# Altium PCB SI945D.PCBDOC (part 2 of 2) (continued)
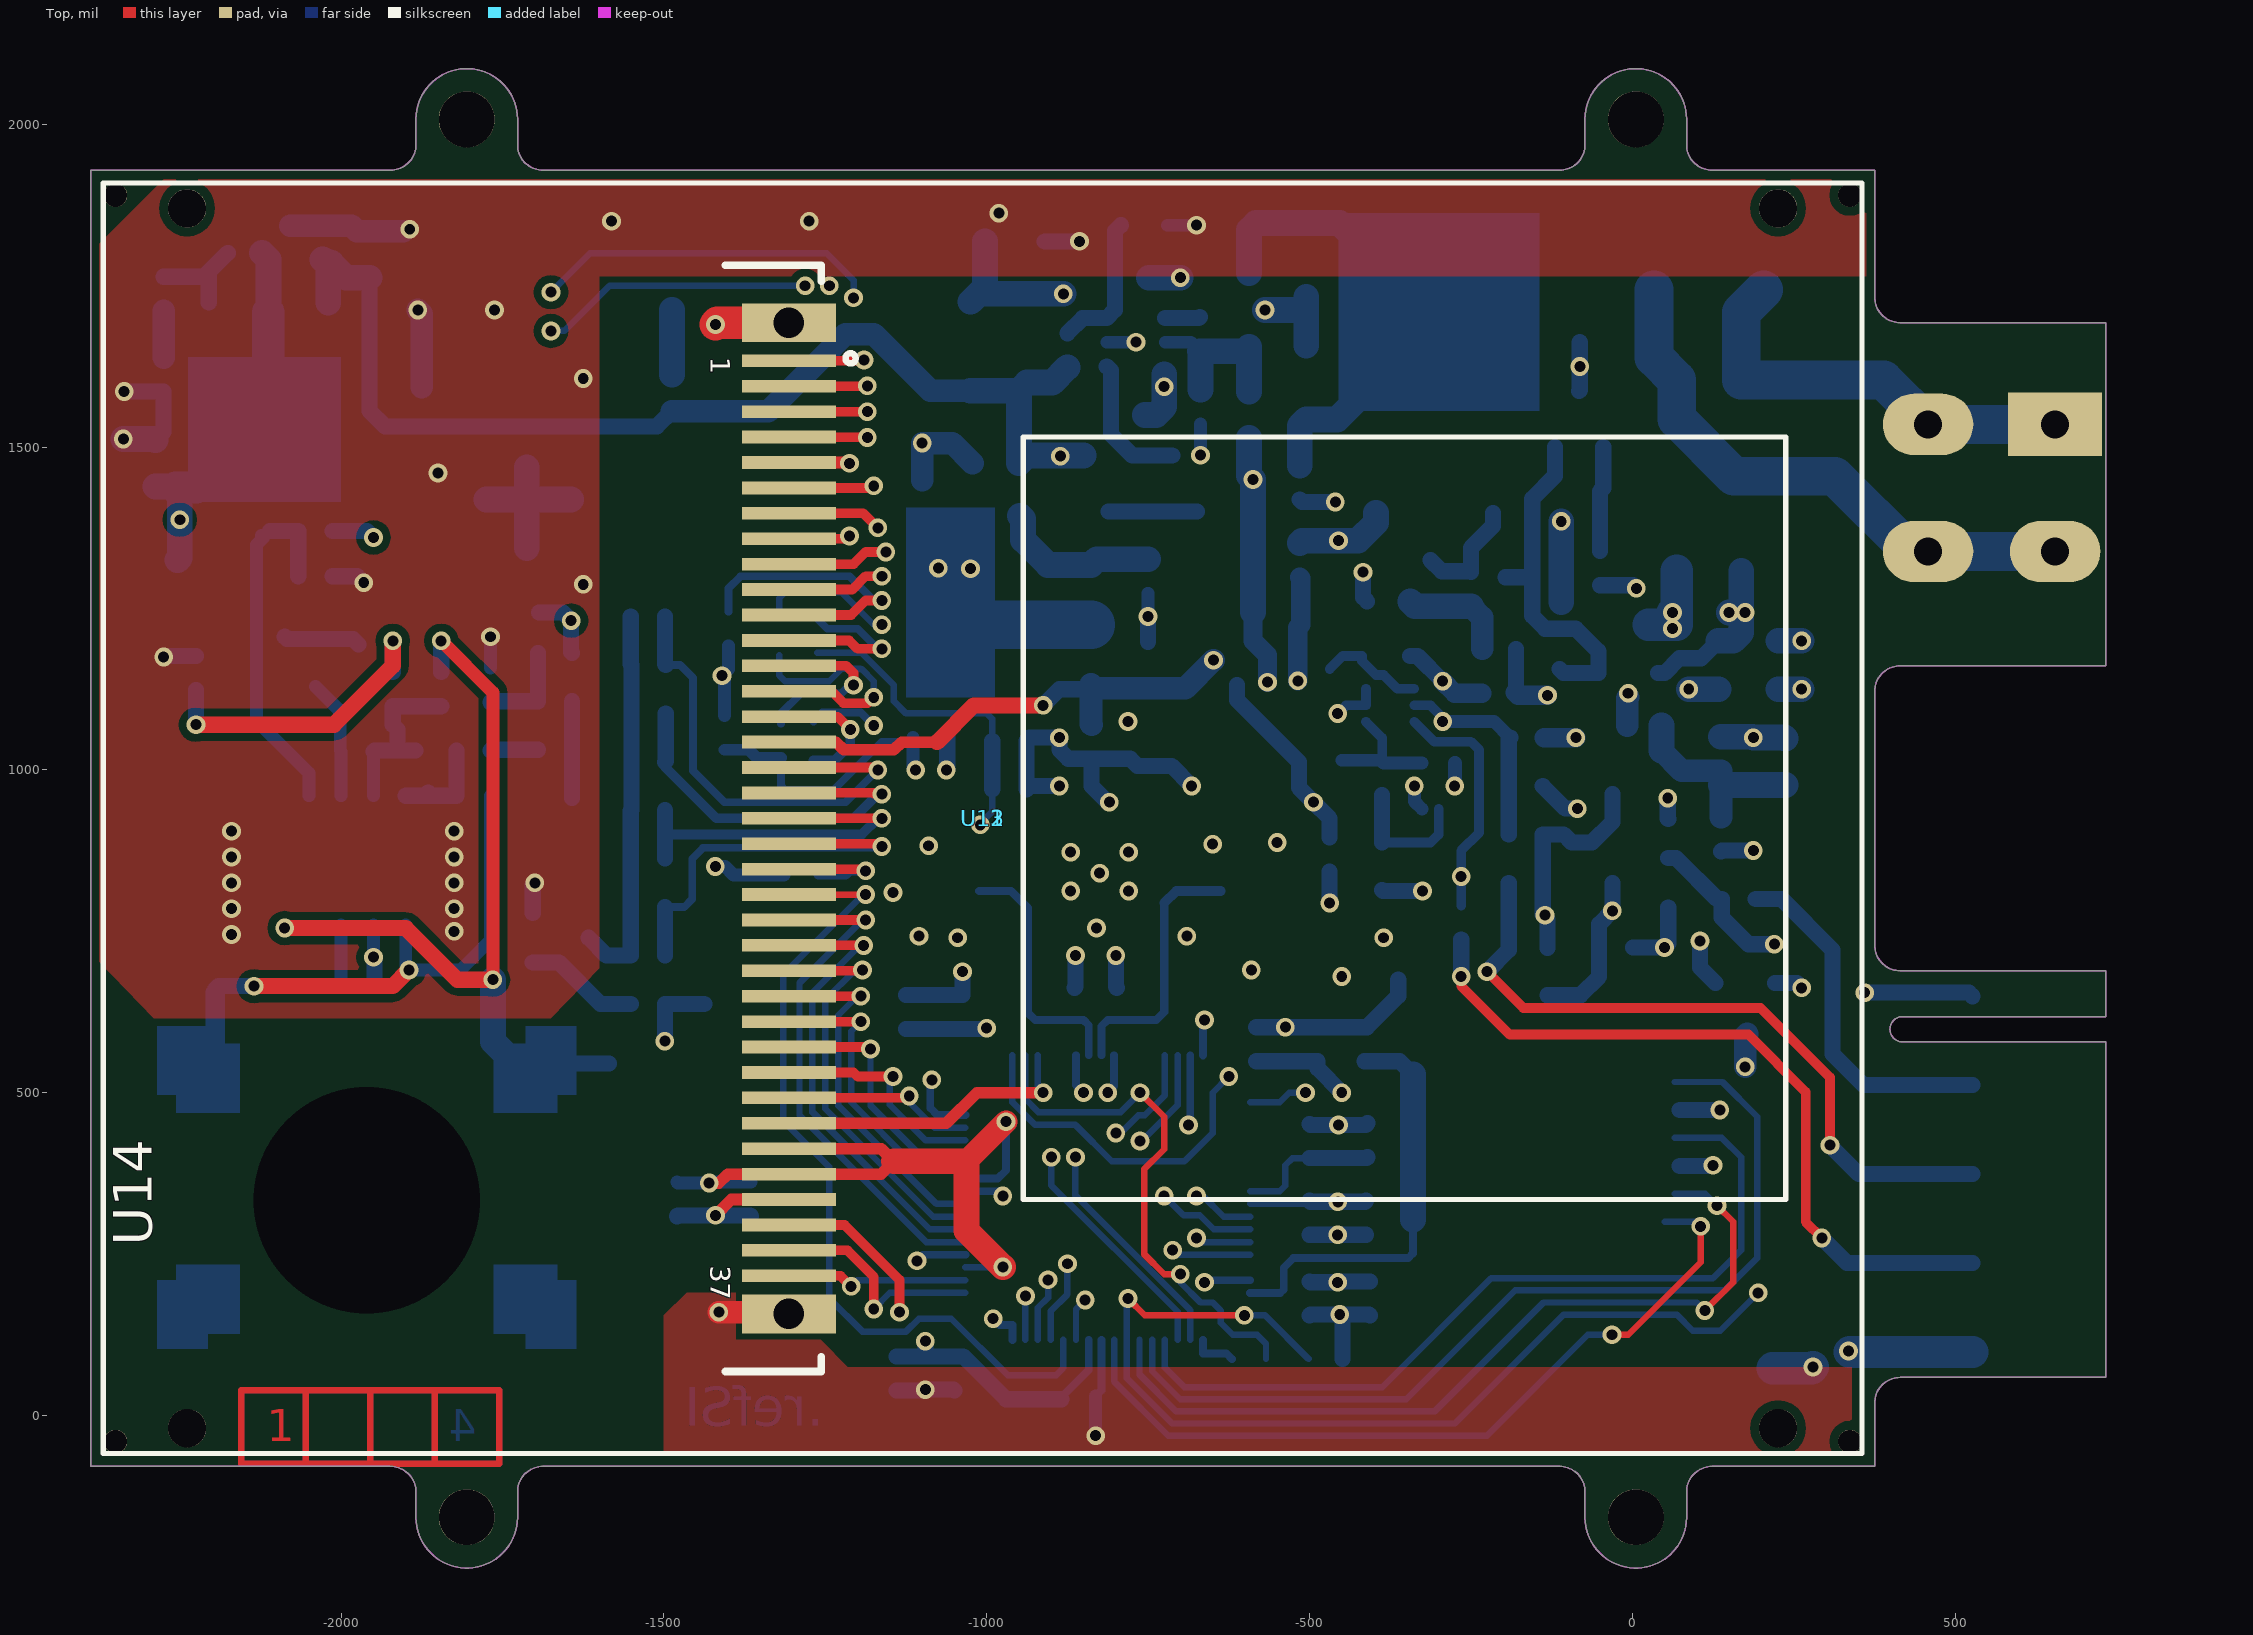
[diagram p0: Top view]
## Nets (pads, with @x,y where several pads share a name; then routed paths per layer and width w, separated by ;. In a path a pad name is that pad's centre, name@x,y a point inside that pad or via, vN(x,y) a via of type N, cw(c..) or ccw(c..) an arc to the next point about the centre after c; other vN are vias at no path point) (continued)
NetR7_1: R7.1 R8.2 | length 72.2
  Bottom w35: R8.2@-2275,1638.9 R7.1@-2275,1711.1
NetR9_1: R9.1 R10.2 U3.1 | length 253
  Bottom w40: R9.1@-948.6,1393.75 -943.75,1388.9 -943.75,1356.25 -905.02,1317.52 U3.1@-838.5,1317.52 -829.62,1326.4 R10.2@-750,1326.4
NetR11_2: R11.2 U10.1 | length 69.2
  Bottom w12: U10.1@-664.86,117.03 -664.86,96.11 -628.76,96.11 R11.2@-620.15,87.5
NetR12_1: R12.1 R29.2 U7.2 | length 170.2
  Bottom w35: R12.1@-250,1253.6 -232.65,1236.25 R29.2@-232.65,1187.5
  Bottom w40: U7.2@-343.85,1261.07 -336.38,1253.6 R12.1@-250,1253.6
NetR22_2: R22.2 T1.1 | length 178.5
  Bottom w25: T1.1@-1703.31,701.61 -1662.5,701.61 -1598.39,637.5 R22.2@-1551.4,637.5
NetR34_2: R34.2 T3.1 | length 163.7
  Bottom w25: R34.2@-50,1338.9 -50,1431.25 -44.83,1436.42 T3.1@-44.83,1500.44
NetR121_1: R121.1 R122.1 R123.1 R124.1 R125.1 R126.1 R127.1 R128.1 T1.3 | length 602.8
  Bottom w25: T1.3@-1616.69,740 -1589.19,712.5 R127.1@-1551.4,712.5 R128.1@-1551.4,787.5 R126.1@-1551.4,862.5 -1551.4,936.1 -1550,937.5 R124.1@-1550,1087.5 R121.1@-1550,1162.5 -1551.4,1163.9 R122.1@-1551.4,1237.5
RX_0: C51.2 JT9.1 R11.1 R24.1 R27.1 T4.3 U10.34 | length 2136.6
  Top w10: v1(-762.5,500) -725,462.5 -725,412.5 -756.25,381.25 -756.25,250 -725,218.75 v1(-700,218.75)
  MidLayer2 w10: v1(-762.5,500) -762.5,600 -442.5,920 -229.24,920 -135,825.76 v1(-135,775)
  Bottom w10: U10.34@-940.45,557.97 -940.45,490.45 -920,470 -792.5,470 v1(-762.5,500) ; v1(-700,218.75) -700,206.25 -668.75,175 -650,175 -637.5,162.5 -637.5,143.75 -618.75,125 -581.25,125 -567.35,111.1 R11.1@-567.35,87.5
  Bottom w25: v1(-135,775) v1@-138.6,778.6 ; C51.2@-131.25,724 -131.25,768.75 -138.6,776.1 v1@-138.6,778.6 ; T4.3@-30.81,962.5 -30.81,919.19 JT9.1@-62.5,887.5 -93.75,887.5 -106.25,900 R27.1@-138.6,900 R24.1@-138.6,825 v1@-138.6,778.6
SCK: J3.5 JT14.1 U10.4 | length 1295.4
  Bottom w10: U10.4@-723.92,117.03 -723.92,73.92 -693.75,43.75 -387.5,43.75 -218.75,212.5 125,212.5 168.75,256.25 168.75,400 138.83,429.92 J3.5@65.75,429.92
SDI: J3.7 JT15.1 U10.5 | length 1463.6
  Bottom w10: U10.5@-743.6,117.03 -743.6,68.6 -700,25 -350,25 -181.25,193.75 143.75,193.75 193.75,243.75 193.75,462.5 139.71,516.54 J3.7@65.75,516.54
SDO: J3.3 JT13.1 U10.6 | length 1292.3
  Top w10: v1(112.5,162.5) 156.25,206.25 156.25,300 v1(131.25,325)
  Bottom w10: U10.6@-763.29,117.03 -763.29,63.29 -706.25,6.25 -306.25,6.25 -137.5,175 100,175 v1(112.5,162.5) ; J3.3@65.75,343.31 112.94,343.31 v1(131.25,325)
TX_0: JT10.1 R28.1 U9.6 U10.33 | length 1433.4
  MidLayer2 w10: v1(-625,525) -581.25,568.75 -581.25,618.75 -355,845 -275,845 v1(-265,835)
  Bottom w10: U10.33@-960.14,557.97 -960.14,485.14 -925,450 -862.5,450 -806.25,393.75 -693.75,393.75 -650,437.5 -650,500 v1(-625,525)
  Bottom w15: U9.6@-337.6,1074.41 -306.94,1043.75 -250,1043.75 -237.5,1031.25 -237.5,902.5 JT10.1@-265,875 v1(-265,835) R28.1@-265,790
UC_XL_X-: R103.1 R104.1 U10.47 | length 1798.1
  MidLayer2 w10: v1(-1162.5,1225) -1181.25,1225 -1287.5,1118.75 -1287.5,800 ; v1(-687.5,450) -687.5,422.5 -760,350 -917,350 -956.09,389.09 -1119.09,389.09 -1287.5,557.5 -1287.5,800 ; -1287.5,800 -1286.79,800.71 -1286.79,799.29 -1287.5,800
  Bottom w10: R103.1@-1321.4,1237.65 -1321.4,1266.1 -1312.5,1275 -1225,1275 -1175,1225 v1(-1162.5,1225)
  Bottom w12: v1(-687.5,450) -684.55,452.95 U10.47@-684.55,557.97
UC_XR_X+: C1.2 R1.2 R101.1 R102.1 U10.2 | length 1442.1
  MidLayer2 w10: v1(-1010,915) -993.75,898.75 -993.75,636.25 -970,612.5 -970,495 -920,445 -905,445 -862.5,402.5 v1(-862.5,400)
  Bottom w10: R101.1@-1262.5,1181.25 -1193.75,1181.25 -1143.75,1131.25 -1143.75,1106.25 -1125,1087.5 -1000,1087.5 -991.4,1078.9 C1.2@-991.4,1045 C1.2@-991.4,1044.7 ; v1(-1010,915) -1011,916 -991.4,935.6 R1.2@-991.4,970 ; v1(-862.5,400) -862.5,341.24 -684.55,163.29 U10.2@-684.55,117.03
  Bottom w25: R1.2@-991.4,970 C1.2@-991.4,1044.7
UC_YD_Y-: R107.1 R108.1 U10.48 | length 1638.2
  MidLayer2 w10: v1(-1175,1068.75) -1200,1093.75 -1237.5,1093.75 -1262.5,1068.75 -1262.5,562.5 -1105,405 -945,405 -910,370 -767.5,370 -725,412.5 -725,455 -700,480 -700,575 v1(-662.5,612.5)
  Bottom w12: R107.1@-1268.45,1075.15 -1254.69,1088.91 -1195.16,1088.91 v1(-1175,1068.75)
  Bottom w12.5: U10.48@-664.86,557.97 -664.86,610.14 v1(-662.5,612.5)
UC_YU_Y+: C2.2 R2.2 R105.1 R106.1 U10.3 | length 1790.5
  MidLayer2 w10: v1(-1110,1000) -1145,1035 -1205,1035 -1237.5,1002.5 -1237.5,567.5 -1095,425 -925,425 v1(-900,400)
  Bottom w10: v1(-900,400) -900,356.25 -704.23,160.48 U10.3@-704.23,117.03
  Bottom w12: R105.1@-1318.75,1018.75 -1318.75,975 -1312.5,968.75 -1237.5,968.75 -1162.5,1043.75 -1120.15,1043.75 R2.2@-1113.9,1050
  Bottom w18: C2.2@-1406.25,1031.25 -1368.75,1031.25 -1356.25,1018.75 R105.1@-1318.75,1018.75
  Bottom w20: R2.2@-1113.9,1050 -1113.9,1003.9 v1(-1110,1000)
pads on no net: D1.2 J3.1 J3.8 MIR1.1 MIR2.1 MIR3.1 SPK1.0 SPK1.FIX1 SPK1.FIX2 U8.1 U10.32 U10.36 U10.37 U10.42 U10.43 U10.44 U10.50 U10.51 U10.52 U10.53 U10.54 U10.55 U10.62 U11.H1 U11.H2 U11.M1 U11.M2 U11.M4 U11.M5 U12.H1 U12.H2 U12.M1 U12.M2 U12.M4 U12.M5 U13.H1 U13.H2 U13.M1 U13.M2 U13.M4 U13.M5 U14.H1 U14.H2 U14.M1 U14.M2 U14.M4 U14.M5
copper on no net: | length 5601.8
  Top w10: -2055,-75 -2055,39.37 ; -1955,-75 -1955,39.37 ; -1855,-75 -1855,39.37 ; -2155,-75 -1755,-75 -1755,39.37 -2155,39.37 -2155,-75
  MidLayer1 w10: -2055,-75 -2055,39.37 ; -1955,-75 -1955,39.37 ; -1855,-75 -1855,39.37 ; -2155,-75 -1755,-75 -1755,39.37 -2155,39.37 -2155,-75
  MidLayer2 w10: -2055,-75 -2055,39.37 ; -1955,-75 -1955,39.37 ; -1855,-75 -1855,39.37 ; -2155,-75 -2155,39.37 -1755,39.37 -1755,-75 -2155,-75
  Bottom w10: -2055,-75 -2055,39.37 ; -1955,-75 -1955,39.37 ; -1855,-75 -1855,39.37 ; -2155,-75 -2155,39.37 ; -2155,-75 -1755,-75 -1755,39.37 -2155,39.37 ; -2155,-75 -2155,39.37

## Polygon pours and split planes (outlines as drawn)
GND on Bottom "Bottom-No Net" (solid, pour order 24): -993.75,1462.5 -1197.88,1462.56 -1362.5,1300 -1362.5,737.5 -1681.25,737.5 -1681.25,1881.25 -831.25,1881.25 -831.25,1812.5 -843.75,1800 -981.25,1800 -993.75,1787.5
GND on Bottom "Bottom-No Net" (solid, remove dead copper, pour order 29): -368.75,1087.5 -398.95,1112.5 -1282.3,1112.5 -1312.5,1087.5 -1312.5,243.75 -1289.85,225 -391.4,225 -368.75,243.75
GND on Bottom "Bottom-GND" (solid, remove dead copper, pour order 22): -1620,1856.25 -1620,665 -2365,665 -2365,1856.25
GND on Top "Bottom-No Net" (solid, remove dead copper, pour order 28): -1500,-60 -1500,155 -1465,190 -1270,190 -1270,130 -1215,75 340,75 340,-60
GND on Top "Bottom-No Net" (solid, remove dead copper, pour order 25): -1720,1848.82 -1710,1848.82 -1615,1765 365,1765 365,1906.18 355,1915 -1720,1915
GND on Top "Bottom-No Net" (solid, pour order 23): -1600,1806.67 -1600,692.38 -1675,615 -2290,615 -2375,702.7 -2375,1815 -2275,1915 -1705,1915
+3V15 on MidLayer2 "MID2_3V15" (solid, remove dead copper, pour order 20): -1587.5,1812.5 -1587.5,43.75 -1537.5,-6.25 -443.75,-6.25 -375,62.5 -375,143.75 -200,318.75 93.75,318.75 137.5,362.5 137.5,418.75 106.25,450 106.25,643.75 68.75,681.25 68.75,743.75 -212.5,1025 -212.5,1062.5 -243.75,1093.75 -318.75,1093.75 -356.25,1056.25 -668.75,1056.25 -700,1087.5 -700,1325 -831.25,1456.25 -831.25,1618.75 -918.75,1706.25 -918.75,1756.25 -975,1812.5
GND on MidLayer2 " Net" (solid, remove dead copper, pour order 27): -2388.19,1928.94 733.86,1928.94 733.86,-78.94 -2388.19,-78.94
GND on MidLayer2 "Bottom-No Net" (solid, remove dead copper, pour order 21): -2037.5,1687.5 -1912.5,1812.5 -1587.5,1812.5 -1587.5,1181.25 -1768.75,1181.25 -1825,1237.5 -1993.75,1237.5 -2037.5,1281.25
GND on MidLayer1 " Net" (solid, remove dead copper, pour order 26): -2388.19,1928.94 733.86,1928.94 733.86,-78.94 -2388.19,-78.94

## Keep-outs
Board:
  the board outline again, w1.97

## Other copper
Top:
  pour cut-out: -1175,1030 -1050,1030 -1050,985 -1040,975 -1055,960 -1130,960 -1130,525 -1125,520 -1050,520 -1050,430 -1095,430 -1185,520
  pour cut-out: -1230,1410 -1130,1410 -1120,1400 -1120,1030 -1210,1030 -1230,1050
  pour cut-out: -1225,1655 -1170,1655 -1160,1645 -1160,1500 -1180,1480 -1225,1480
  text "1" at -2115,-39.69 h50
MidLayer1:
  text "2" at -2015,-39.69 h50
MidLayer2:
  pour cut-out: -1193.75,1462.5 -1200,1456.25 -1200,1381.25 -1193.75,1381.25
  pour cut-out: -970,675 -995,700 -1012.5,700 -1012.5,582.5 -970,540
  text "3" at -1890,-39.69 h50
Bottom:
  rectangle net +15V: -455,1556.25 -143.75,1862.5
  rectangle net +5V: -2237,1415 -2000,1640
  rectangle net +3V15: -1125,1112.5 -987.5,1406.25
  pour cut-out: -1020,1075 -1022.68,1072.68 -1022.68,974.37 -950,975 -950,1075
  pour cut-out: -1768.6,740 -1770,680 -1765,675 -1590,675 -1590,775 -1650,775 -1650.47,740
  pour cut-out: -1555,1265 -1590,1265 -1590,740 -1580,750 -1555,750
  pour cut-out: -2010,1135 -1950,1135 -1950,1035 -2010,1035
  pour cut-out: -1920,1175.7 -1919.3,1175 -1785,1175 -1785,1050 -1920,1050
  pour cut-out: -1137.5,1687.5 -1137.5,1631.25 -962.5,1631.25 -962.5,1687.5
  pour cut-out: -2249,1611 -2256,1604 -2256,1568 -2259,1568 -2259,1472 -2242,1469 -2227,1484 -2227,1611
  text "4" at -1790,-39.69 h50

## Silkscreen, mask and mechanical layers (free items; w line width, h text height)
Top Silk:
  lines w8: -943.31,334.45 -943.31,1515.55 237.8,1515.55 237.8,334.45 -943.31,334.45
Bot Silk:
  lines w10: -641.44,979.06 -641.44,1033.6
Top Mask:
  rectangle: -1382.8,-59.25 320.47,58.86
  rectangle: -1382.8,1791.14 320.47,1909.25
Cartouche TOP (Mec3):
  lines w5: -5859.96,-3326.5 -5859.96,7773.5 ; 3540.04,-3126.5 4940.04,-3126.5 9440.04,-3126.5
  lines w10: -5859.96,-3326.5 9640.04,-3326.5 9640.04,7773.5 -5859.96,7773.5 ; -5859.96,-551.5 -5659.96,-551.5 ; -5859.96,2223.5 -5659.96,2223.5 ; -5859.96,4998.5 -5659.96,4998.5 ; -3919.96,-3326.5 -3919.96,-3126.5 ; -3919.96,7573.5 -3919.96,7773.5 ; -1984.96,-3326.5 -1984.96,-3126.5 ; -1984.96,7573.5 -1984.96,7773.5 ; -49.96,-3326.5 -49.96,-3126.5 ; -49.96,7573.5 -49.96,7773.5 ; 1890.04,-3326.5 1890.04,-3126.5 ; 1890.04,7573.5 1890.04,7773.5 ; 3825.04,-3326.5 3825.04,-3126.5 ; 3825.04,7573.5 3825.04,7773.5 ; 3840.04,-3026.5 5990.04,-3026.5 ; 3840.04,-2901.5 5990.04,-2901.5 7015.04,-2901.5 9440.04,-2901.5 ; 3840.04,-2776.5 5990.04,-2776.5 ; 3840.04,-2651.5 5990.04,-2651.5 ; 3840.04,-2526.5 5990.04,-2526.5 ; 3840.04,-2401.5 5990.04,-2401.5 ; 3840.04,-2276.5 5990.04,-2276.5 ; 4190.04,-3126.5 4190.04,-2151.5 ; 4640.04,-3126.5 4640.04,-2151.5 ; 5690.04,-3126.5 5690.04,-2151.5 ; 5760.04,-3326.5 5760.04,-3126.5 ; 5760.04,7573.5 5760.04,7773.5 ; 5990.04,-3126.5 5990.04,-2151.5 ; 5990.04,-2576.5 8975.15,-2576.5 8975.15,-2154 ; 7015.04,-3126.5 7015.04,-2151.5 ; 7015.04,-2751.5 8490.04,-2751.5 ; 7700.04,-3326.5 7700.04,-3126.5 ; 7700.04,7573.5 7700.04,7773.5 ; 8490.04,-2901.5 8490.04,-2576.5 ; 8975.15,-2439 9440.04,-2439 ; 9050.04,-2576.5 9285.04,-2576.5 ; 9440.04,-551.5 9640.04,-551.5 ; 9440.04,2223.5 9640.04,2223.5 ; 9440.04,4998.5 9640.04,4998.5 ; 9440.04,-3126.5 3840.04,-3126.5 3840.04,-2151.5 9440.04,-2151.5 9440.04,-3126.5 ; 9440.04,-3126.5 -5659.96,-3126.5 -5659.96,7573.5 9440.04,7573.5 9440.04,-3126.5
  text "1" at -4913.62,7638.5 h70
  text "2" at -2982.96,7638.5 h70
  text "3" at -1043.62,7638.5 h70
  text "4" at 897.04,7638.5 h70
  text "5" at 2837.04,7638.5 h70
  text "6" at 4767.04,7638.5 h70
  text "7" at 6717.04,7638.5 h70
  text "8" at 8647.04,7638.5 h70
  text "A" at -5784.96,6300.5 h70
  text "A" at 9515.04,6300.5 h70
  text "B" at -5784.96,3520.5 h70
  text "B" at 9515.04,3520.5 h70
  text "C" at -5784.96,740.5 h70
  text "C" at 9515.04,740.5 h70
  text "D" at -5784.96,-2019.5 h70
  text "D" at 9515.04,-2019.5 h70
  text "Sheet Size" at 8990.04,-2239 h100
  text "Circuit Imprimé pour carte" at 7077.54,-2326.5 h130
  text ".refSC" at 8440.04,-2326.5 h130
  text ".siSheetSize" at 9145.04,-2381.5 h140
  text "Printed Circuit Board for" at 7215.04,-2476.5 h120
  text ".refSC" at 8390.04,-2476.5 h120
  text "Print:" at 9052.54,-2551.5 h120
  text "View:" at 7065.04,-2701.5 h100
  text ".Printout_Name" at 7302.54,-2701.5 h100
  text "DATE:" at 8540.04,-2701.5 h120
  text ".Print_Date" at 8880.04,-2701.5 h120
  text ".refSI" at 6052.54,-2826.5 h300
  text ".Print_Scale" at 8540.04,-2851.5 h120
  text "File:" at 7077.54,-2864 h100
  text ".Pcb_File_Name_No_Path" at 7265.04,-2864 h100
  text "a" at 3990.04,-2991.5 h120
  text "16/10/16" at 4215.04,-3001.5 h120
  text "Création" at 4675.04,-3001.5 h120
  text "CVO" at 5716.25,-3001.25 h120
  text "EDA: Altium Designer" at 6040.04,-3001.5 h100
  text "build" at 6040.04,-3091.5 h100
  text ".Application_BuildNumber" at 6270.04,-3091.5 h100
  text "Ind. Min" at 3870.04,-3106.5 h100
  text "Doc Date" at 4240.04,-3106.5 h100
  text "Objet" at 4670.04,-3106.5 h100
  text "Nom" at 5740.04,-3106.5 h100
  text "1" at -4913.62,-3261.5 h70
  text "2" at -2982.96,-3261.5 h70
  text "3" at -1043.62,-3261.5 h70
  text "4" at 897.04,-3261.5 h70
  text "5" at 2837.04,-3261.5 h70
  text "6" at 4767.04,-3261.5 h70
  text "7" at 6717.04,-3261.5 h70
  text "8" at 8647.04,-3261.5 h70
Cartouche BOT (Mec4):
  lines w5: -5854.96,7744.13 9645.04,7744.13 9645.04,-3355.87 ; -1154.96,-3155.87 245.04,-3155.87
  lines w10: -5854.96,-580.87 -5654.96,-580.87 ; -5854.96,2194.13 -5654.96,2194.13 ; -5854.96,4969.13 -5654.96,4969.13 ; -5854.96,7744.13 -5854.96,-3355.87 9645.04,-3355.87 ; -5654.96,-2930.87 -3229.96,-2930.87 -2204.96,-2930.87 ; -5654.96,-2468.37 -5190.07,-2468.37 ; -5499.96,-2605.87 -5264.96,-2605.87 ; -5190.07,-2183.37 -5190.07,-2605.87 -2204.96,-2605.87 ; -4704.96,-2930.87 -4704.96,-2605.87 ; -4704.96,-2780.87 -3229.96,-2780.87 ; -3914.96,-3355.87 -3914.96,-3155.87 ; -3914.96,7544.13 -3914.96,7744.13 ; -3229.96,-3155.87 -3229.96,-2180.87 ; -2204.96,-3155.87 -2204.96,-2180.87 -5654.96,-2180.87 -5654.96,-3155.87 ; -1974.96,-3355.87 -1974.96,-3155.87 ; -1974.96,7544.13 -1974.96,7744.13 ; -39.96,-3355.87 -39.96,-3155.87 ; -39.96,7544.13 -39.96,7744.13 ; 1895.04,-3355.87 1895.04,-3155.87 ; 1895.04,7544.13 1895.04,7744.13 ; 3835.04,-3355.87 3835.04,-3155.87 ; 3835.04,7544.13 3835.04,7744.13 ; 5770.04,-3355.87 5770.04,-3155.87 ; 5770.04,7544.13 5770.04,7744.13 ; 7705.04,-3355.87 7705.04,-3155.87 ; 7705.04,7544.13 7705.04,7744.13 ; 9445.04,-580.87 9645.04,-580.87 ; 9445.04,2194.13 9645.04,2194.13 ; 9445.04,4969.13 9645.04,4969.13 ; -5654.96,-3155.87 -5654.96,7544.13 9445.04,7544.13 9445.04,-3155.87 -5654.96,-3155.87
  text "8" at -4861.96,7609.13 h70
  text "7" at -2931.96,7609.13 h70
  text "6" at -981.96,7609.13 h70
  text "5" at 948.04,7609.13 h70
  text "4" at 2888.04,7609.13 h70
  text "3" at 4828.7,7609.13 h70
  text "2" at 6768.04,7609.13 h70
  text "1" at 8698.7,7609.13 h70
  text "A" at -5729.96,6271.13 h70
  text "A" at 9570.04,6271.13 h70
  text "B" at -5729.96,3491.13 h70
  text "B" at 9570.04,3491.13 h70
  text "C" at -5729.96,711.13 h70
  text "C" at 9570.04,711.13 h70
  text "D" at -5729.96,-2048.87 h70
  text "D" at 9570.04,-2048.87 h70
  text "Sheet Size" at -5204.96,-2280.87 h100
  text ".refSC" at -4654.96,-2355.87 h130
  text "Circuit Imprimé pour carte" at -3292.46,-2355.87 h130
  text ".siSheetSize" at -5342.46,-2418.37 h140
  text ".refSC" at -4604.96,-2505.87 h120
  text "Printed Circuit Board for" at -3429.96,-2505.87 h120
  text "Print:" at -5267.46,-2580.87 h120
  text ".Print_Date" at -5094.96,-2730.87 h120
  text "DATE:" at -4754.96,-2730.87 h120
  text ".Printout_Name" at -3517.46,-2730.87 h100
  text "View:" at -3279.96,-2730.87 h100
  text ".refSI" at -2279.96,-2868.37 h300
  text ".Print_Scale" at -4754.96,-2880.87 h120
  text ".Pcb_File_Name_No_Path" at -3479.96,-2893.37 h100
  text "File:" at -3292.46,-2893.37 h100
  text "EDA: Altium Designer" at -2254.96,-3030.87 h100
  text ".Application_BuildNumber" at -2484.96,-3120.87 h100
  text "build" at -2254.96,-3120.87 h100
  text "8" at -4861.96,-3290.87 h70
  text "7" at -2931.96,-3290.87 h70
  text "6" at -981.96,-3290.87 h70
  text "5" at 948.04,-3290.87 h70
  text "4" at 2888.04,-3290.87 h70
  text "3" at 4828.7,-3290.87 h70
  text "2" at 6768.04,-3290.87 h70
  text "1" at 8698.7,-3290.87 h70
encombrement:
  drawing of 243 lines, arcs and shapes, not listed
Cotes (Mec6):
  lines w1.97: -2474.8,925 674.8,925 ; -900,-610.43 -900,2275.39
NonImprimables (Mec7):
  drawing of 1673 lines, arcs and shapes, not listed
outline:
  lines w1: -1884.25,-118.31 ccw(c-1923.62,-118.31) -1923.62,-78.94 -2388.19,-78.94 -2388.19,1928.94 -1923.62,1928.94 ccw(c-1923.62,1968.31) -1884.25,1968.31 ; -1884.25,-118.31 -1884.25,-118.31 ; -1884.25,-118.31 -1884.25,-157.68 ccw(c-1805.51,-157.68) -1726.77,-157.68 ; -1884.25,1968.31 -1884.25,2007.68 cw(c-1805.51,2007.68) -1726.77,2007.68 ; -1884.25,1968.31 -1884.25,1968.31 ; -1726.77,-157.68 -1726.77,-157.68 ; -1726.77,-157.68 -1726.77,-118.31 ; -1726.77,-118.31 cw(c-1687.4,-118.31) -1687.4,-78.94 -112.6,-78.94 cw(c-112.6,-118.31) -73.23,-118.31 ; -1726.77,-118.31 -1726.77,-118.31 ; -1726.77,1968.31 ccw(c-1687.4,1968.31) -1687.4,1928.94 -112.6,1928.94 ccw(c-112.6,1968.31) -73.23,1968.31 ; -1726.77,1968.31 -1726.77,1968.31 ; -1726.77,1968.31 -1726.77,2007.68 ; -1726.77,2007.68 -1726.77,2007.68 ; -73.23,-157.68 ccw(c5.51,-157.68) 84.25,-157.68 84.25,-118.31 ; -73.23,-157.68 -73.23,-118.31 ; -73.23,-157.68 -73.23,-157.68 ; -73.23,-118.31 -73.23,-118.31 ; -73.23,1968.31 -73.23,2007.68 ; -73.23,1968.31 -73.23,1968.31 ; -73.23,2007.68 cw(c5.51,2007.68) 84.25,2007.68 84.25,1968.31 ; -73.23,2007.68 -73.23,2007.68 ; 84.25,-118.31 cw(c123.62,-118.31) 123.62,-78.94 375.59,-78.94 375.59,19.49 ; 84.25,-118.31 84.25,-118.31 ; 84.25,1968.31 ccw(c123.62,1968.31) 123.62,1928.94 375.59,1928.94 375.59,1732.09 ; 84.25,1968.31 84.25,1968.31 ; 375.59,19.49 cw(c414.96,19.49) 414.96,58.86 733.86,58.86 733.86,578.54 418.9,578.54 ; 375.59,19.49 375.59,19.49 ; 375.59,728.15 ccw(c414.96,728.15) 414.96,688.78 733.86,688.78 733.86,617.91 418.9,617.91 ; 375.59,728.15 375.59,728.15 ; 375.59,728.15 375.59,1121.85 ; 375.59,1121.85 cw(c414.96,1121.85) 414.96,1161.22 733.86,1161.22 733.86,1692.72 414.96,1692.72 cw(c414.96,1732.09) 375.59,1732.09 ; 375.59,1121.85 375.59,1121.85 ; 375.59,1732.09 375.59,1732.09 ; 418.9,578.54 cw(c418.9,598.23) 418.9,617.91 ; 418.9,578.54 418.9,578.54 ; 418.9,617.91 418.9,617.91
DNI_top:
  lines w6: -2187.5,1837.5 -2012.5,1900 ; -2187.5,1900 -2012.5,1837.5 ; -1975,1837.5 -1806.25,1900 ; -1975,1900 -1800,1837.5 ; -1737.5,1906.25 -1581.25,1831.25 ; -1731.25,1831.25 -1587.5,1900
DNI_bottom:
  lines w6: -2256.25,1093.75 -2193.75,1206.25 ; -2256.25,1206.25 -2193.75,1093.75 ; -1950,1068.75 -1893.75,1181.25 ; -1950,1181.25 -1893.75,1075 ; -1875,1175 -1818.75,1075 ; -1868.75,1075 -1818.75,1181.25 ; -1581.25,812.5 -1475,762.5 ; -1581.25,893.75 -1475,837.5 ; -1581.25,1212.5 -1468.75,1268.75 ; -1575,762.5 -1468.75,812.5 ; -1575,837.5 -1468.75,887.5 ; -1575,1062.5 -1468.75,1112.5 ; -1575,1112.5 -1475,1062.5 ; -1575,1268.75 -1475,1212.5 ; -1437.5,1006.25 -1375,1112.5 ; -1437.5,1112.5 -1381.25,1006.25 ; -1350,993.75 -1237.5,1043.75 ; -1350,1100 -1243.75,1050 ; -1350,1150 -1243.75,1206.25 ; -1350,1262.5 -1237.5,1212.5 ; -1243.75,993.75 -1350,1043.75 -1237.5,1100 ; -1243.75,1150 -1350,1206.25 -1237.5,1262.5 ; -1018.75,1018.75 -912.5,1075 ; -1018.75,1075 -912.5,1018.75 ; -650,56.25 -537.5,118.75 ; -650,118.75 -537.5,56.25 ; -37.5,1037.5 75,1100 ; -37.5,1100 75,1037.5
Drill Drawing:
  circle w10: c-4255.62,-1552.92 r20
  circle w10: c-4255.62,-1552.92 r33.33
  lines w10: -4288.96,-2036.25 -4255.62,-2019.58 -4222.29,-2036.25 -4238.96,-2002.92 -4222.29,-1969.58 -4255.62,-1986.25 -4288.96,-1969.58 -4272.29,-2002.92 -4288.96,-2036.25 ; -4288.96,-1852.92 -4255.62,-1886.25 -4222.29,-1852.92 -4255.62,-1819.58 -4288.96,-1852.92 ; -4288.96,-1669.58 -4222.29,-1669.58 -4255.62,-1736.25 -4288.96,-1669.58 ; -4288.96,-1419.58 -4272.29,-1419.58 -4255.62,-1436.25 -4238.96,-1419.58 -4222.29,-1419.58 -4238.96,-1402.92 -4222.29,-1386.25 -4238.96,-1386.25 -4255.62,-1369.58 -4272.29,-1386.25 -4288.96,-1386.25 -4272.29,-1402.92 -4288.96,-1419.58 ; -4288.96,-1286.25 -4222.29,-1286.25 -4222.29,-1219.58 -4288.96,-1219.58 -4288.96,-1286.25 ; -4288.96,-1119.58 -4272.29,-1119.58 -4272.29,-1136.25 -4238.96,-1136.25 -4238.96,-1119.58 -4222.29,-1119.58 -4222.29,-1086.25 -4238.96,-1086.25 -4238.96,-1069.58 -4272.29,-1069.58 -4272.29,-1086.25 -4288.96,-1086.25 -4288.96,-1119.58 ; -4275.62,-2022.92 -4255.62,-2012.92 -4235.62,-2022.92 -4245.62,-2002.92 -4235.62,-1982.92 -4255.62,-1992.92 -4275.62,-1982.92 -4265.62,-2002.92 -4275.62,-2022.92 ; -4275.62,-1682.92 -4235.62,-1682.92 -4255.62,-1722.92 -4275.62,-1682.92 ; -4275.62,-1412.92 -4265.62,-1412.92 -4255.62,-1422.92 -4245.62,-1412.92 -4235.62,-1412.92 -4245.62,-1402.92 -4235.62,-1392.92 -4245.62,-1392.92 -4255.62,-1382.92 -4265.62,-1392.92 -4275.62,-1392.92 -4265.62,-1402.92 -4275.62,-1412.92 ; -4275.62,-1272.92 -4235.62,-1272.92 -4235.62,-1232.92 -4275.62,-1232.92 -4275.62,-1272.92 ; -4275.62,-1112.92 -4265.62,-1112.92 -4265.62,-1122.92 -4245.62,-1122.92 -4245.62,-1112.92 -4235.62,-1112.92 -4235.62,-1092.92 -4245.62,-1092.92 -4245.62,-1082.92 -4265.62,-1082.92 -4265.62,-1092.92 -4275.62,-1092.92 -4275.62,-1112.92
  lines w15: -4348.75,-2081.25 -469.78,-2081.25 ; -4348.75,-1031.25 -469.78,-1031.25 ; -3797.87,-2231.25 -3797.87,-881.25 ; -3100.06,-2231.25 -3100.06,-881.25 ; -1754.46,-2231.25 -1754.46,-881.25 ; -1248.58,-2231.25 -1248.58,-881.25 ; -4348.75,-2231.25 -469.78,-2231.25 -469.78,-881.25 -4348.75,-881.25 -4348.75,-2231.25
  text "Symbol" at -4258.75,-986.25 h72
  text "Hit Count" at -3752.87,-986.25 h72
  text "Finished Hole Size" at -3055.06,-986.25 h72
  text "Plated" at -1709.46,-986.25 h72
  text "Hole Type" at -1203.58,-986.25 h72
  text "218" at -3752.87,-1136.25 h60
  text "0.432mm (17.00mil)" at -3055.06,-1136.25 h60
  text "PTH" at -1709.46,-1136.25 h60
  text "Round" at -1203.58,-1136.25 h60
  text "16" at -3752.87,-1286.25 h60
  text "0.920mm (36.22mil)" at -3055.06,-1286.25 h60
  text "NPTH" at -1709.46,-1286.25 h60
  text "Round" at -1203.58,-1286.25 h60
  text "4" at -3752.87,-1436.25 h60
  text "1.100mm (43.31mil)" at -3055.06,-1436.25 h60
  text "PTH" at -1709.46,-1436.25 h60
  text "Round" at -1203.58,-1436.25 h60
  text "8" at -3752.87,-1586.25 h60
  text "1.200mm (47.24mil)" at -3055.06,-1586.25 h60
  text "PTH" at -1709.46,-1586.25 h60
  text "Round" at -1203.58,-1586.25 h60
  text "4" at -3752.87,-1736.25 h60
  text "1.500mm (59.06mil)" at -3055.06,-1736.25 h60
  text "NPTH" at -1709.46,-1736.25 h60
  text "Round" at -1203.58,-1736.25 h60
  text "4" at -3752.87,-1886.25 h60
  text "2.200mm (86.61mil)" at -3055.06,-1886.25 h60
  text "NPTH" at -1709.46,-1886.25 h60
  text "Round" at -1203.58,-1886.25 h60
  text "1" at -3752.87,-2036.25 h60
  text "8.900mm (350.39mil)" at -3055.06,-2036.25 h60
  text "NPTH" at -1709.46,-2036.25 h60
  text "Round" at -1203.58,-2036.25 h60
  text "255 Total" at -3752.87,-2186.25 h60

## Dimensions
-900,2275.39 to -2238.58,-19.88 on Cotes (Mec6)
-2474.8,925 to -2238.58,-19.88 on Cotes (Mec6)
-2474.8,925 to -2238.58,1869.88 on Cotes (Mec6)
674.8,925 to 225.98,1869.88 on Cotes (Mec6)
674.8,925 to 225.98,-19.88 on Cotes (Mec6)
375.59,19.49 to 733.86,58.86 on Cotes (Mec6)
-2388.19,1928.94 to 375.59,1928.94 on Cotes (Mec6)
-1923.62,1928.94 to -1923.62,-78.94 on Cotes (Mec6)
733.86,1692.72 to 733.86,1161.22 on Cotes (Mec6)
414.96,1161.22 to 733.86,688.78 on Cotes (Mec6)
414.96,688.78 to 733.86,617.91 on Cotes (Mec6)
733.86,617.91 to 733.86,578.54 on Cotes (Mec6)
733.86,58.86 to 375.59,-78.94 on Cotes (Mec6)
733.86,578.54 to 733.86,58.86 on Cotes (Mec6)
733.86,1692.72 to -2388.19,1928.94 on Cotes (Mec6)
-1805.51,-157.68 to -900,2275.39 on Cotes (Mec6)
-1805.51,-157.68 to -2388.19,-78.94 on Cotes (Mec6)
5.51,-157.68 to -900,2275.39 on Cotes (Mec6)
5.51,-157.68 to 375.59,19.49 on Cotes (Mec6)
5.51,2007.68 to -900,2275.39 on Cotes (Mec6)
-900,2275.39 to -1805.51,2007.68 on Cotes (Mec6)
-1805.51,2007.68 to -2388.19,1928.94 on Cotes (Mec6)
-2474.8,925 to -1805.51,2007.68 on Cotes (Mec6)
-2474.8,925 to 5.51,2007.68 on Cotes (Mec6)
-1805.51,-157.68 to -2474.8,925 on Cotes (Mec6)
-2474.8,925 to 5.51,-157.68 on Cotes (Mec6)
5.51,2007.68 to 375.59,1939.92 on Cotes (Mec6)
375.59,1928.94 to 733.86,1692.72 on Cotes (Mec6)
733.86,1692.72 to 375.59,1928.94 on Cotes (Mec6)
-900,2275.39 to -2238.58,1869.88 on Cotes (Mec6)
-900,2275.39 to 225.98,1869.88 on Cotes (Mec6)
-900,-610.43 to 225.98,-19.88 on Cotes (Mec6)
5.51,2086.42 to 5.51,-236.42 on Cotes (Mec6)
674.8,925 to -671.03,1006.18 on Cotes (Mec6)
-900,925 to -641.44,1033.6 on Cotes (Mec6)

## Text inside footprints (layer, text, board x,y; h text height)
J1: Bot Assy "1" at 702.16,648.82 h35 r90
U11: Top Silk "37" at -1427.3,232 h30 r270; Top Silk "1" at -1427.3,1639 h30 r270
U12: Top Silk "37" at -1427.3,232 h30 r270; Top Silk "1" at -1427.3,1639 h30 r270
U13: Top Silk "37" at -1427.3,232 h30 r270; Top Silk "1" at -1427.3,1639 h30 r270
U14: Top Silk "37" at -1427.3,232 h30 r270; Top Silk "1" at -1427.3,1639 h30 r270